# KiCad board HPM5300_ADC_EVK_RevA.kicad_pcb (continued)
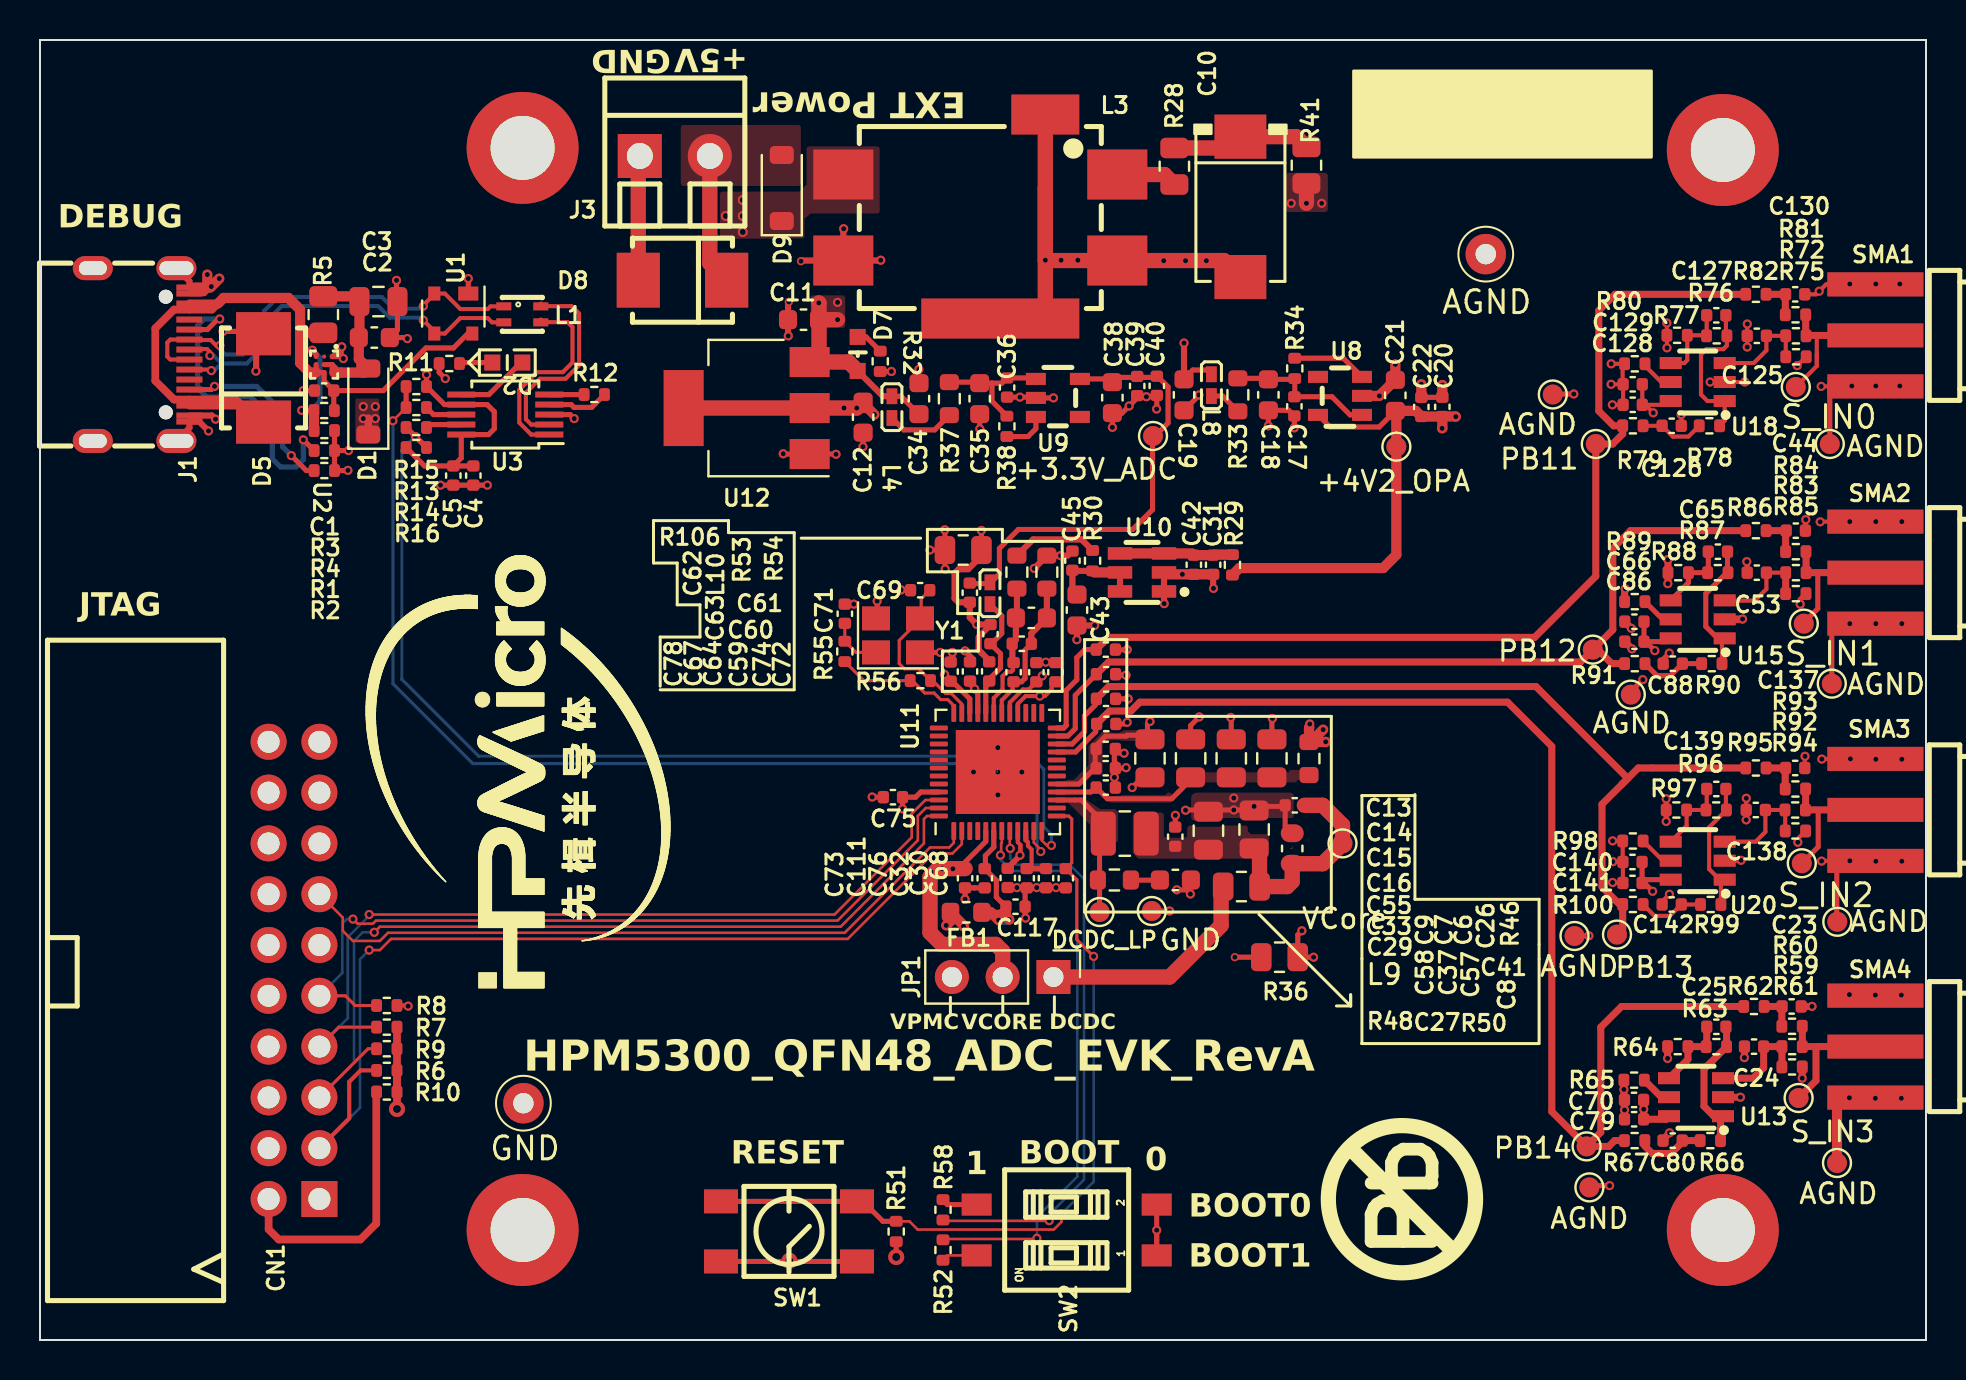
[diagram p0: board, top side]
## Copper pours and planes (outline as drawn; the poured copper is in the pictures) (continued)
5V_SYS on In2.Cu: 38.07,49.44 65.28,49.44 65.28,58.89 62.18,58.89 62.18,52.85 38.07,52.85
+1.2VCore on Top: 54.78,26.37 56.19,26.37 56.19,25.19 56.26,25.12 57.29,25.12 57.36,25.19 57.36,25.63 57.45,25.72 60.33,25.72 60.39,25.66 60.39,25.44 60.54,25.29 61.37,25.29 61.44,25.22 61.44,24.4 61.11,24.07 54.91,24.07 54.64,24.34 54.64,26.24 54.7,26.32 54.72,26.34
+3.3V on In2.Cu: 60.25,31.03 65.13,31.03 65.13,29.15 65.02,29.05 60.25,29.05
+3.3V on In2.Cu: 60.32,64.64 60.33,64.63 60.33,0.39 0.38,0.39 0.36,0.41 0.36,64.64
+4V_OPA on In2.Cu: 69.44,47.13 82.17,47.13 82.17,9.74 79.2,9.74 79.2,44.14 69.42,44.14 69.42,47.11
+5V on Top: 15.77,47.07 16.97,47.07 16.97,44.87 15.77,44.87
+5V on Top: 33.99,57.42 37.97,57.42 38.33,57.77 38.33,59.68 41.99,59.68 41.99,56.33 38.53,56.33 38.23,56.07 38.23,55.08 33.99,55.06
+5V on In2.Cu: 17.39,51.2 18.4,52.21 35.64,52.21 35.64,57.51 31.35,57.51 31.35,55.45 20.99,55.45 20.95,55.49 20.95,58.51 15.13,58.51 15.1,58.48 15.1,39.4 17.39,39.4
GND on Top: 58.42,25.9 58.42,26.1 62.69,26.1 62.69,27.32 62.48,27.37 57.77,27.37 57.56,27.22 57.56,25.97 57.66,25.9
GND on In1.Cu: 0.08,64.94 0.08,0.04 61.7,0.04 61.7,29.66 61.27,29.66 53.28,29.65 52.55,29.65 52.55,34.08 45.97,34.08 45.97,48.3 65.51,48.3 65.51,64.91 65.48,64.94
GND on In1.Cu: 56.74,31.69 62.64,31.69 62.64,29.5 62.53,29.4 56.74,29.4
GNDA on In1.Cu: 66.32,47.54 46.84,47.54 46.84,34.78 53.34,34.78 53.34,30.41 62.52,30.41 62.52,0.04 94.28,0.04 94.28,64.89 66.32,64.89
VDD_PMCCAP_1V1 on Top: 52.04,27.67 52.63,28.26 53.09,28.26 53.14,28.31 53.14,29.76 53.34,29.96 55.83,29.96 55.83,30.49 53.01,30.49 52.43,29.91 52.43,28.74 51.69,28 51.18,28 51.1,27.93 51.1,27.73 51.16,27.67
/HPM5300-IO/VIO on In2.Cu: 50.6,33.69 50.32,33.97 41.68,33.97 41.68,22.19 48.41,22.19 48.41,23.05 42.58,23.05 42.58,33.06 42.37,32.98 50.6,32.98
/HPM5300-IO/VIO on In2.Cu: 47.55,23.05 47.55,20.61 48.74,20.61 48.77,20.64 48.77,23.05
Net-(D8-K) on Top: 32.04,60.75 32.04,57.7 38.04,57.7 38.04,60.75
Net-(JP1-C) on In2.Cu: 42.85,32.78 50.57,32.78 50.57,23.2 42.85,23.2
Net-(U11A-DCDC_LP) on Top: 50.88,26.89 51.38,26.89 52.5,25.77 52.5,24.88 53.9,24.88 53.9,26.41 53.76,26.55 53.03,26.54 52.15,27.12 50.88,27.12
Net-(U11C-VPMC) on Top: 53.21,27.93 53.21,27.24 56.26,27.24 56.64,27.62 56.64,28.89 64.14,28.89 64.14,27.62 64.01,27.5 57.15,27.5 56.52,26.86 52.96,26.86 52.58,27.24 50.84,27.24 50.84,27.5 50.82,27.62 52.2,27.62 52.53,27.96 52.53,27.93

## Text on the board
B.Silkscreen: VREF | GND | TCK | NC | TDO | TMS | TDI | TRST
F.Silkscreen: b | P | VPMC | VCORE | DCDC | DEBUG | JTAG | RESET | 1 | BOOT | 0 | BOOT0 | BOOT1 | GND | +5V | EXT Power | HPM5300_QFN48_ADC_EVK_RevA
